# Allegro board RK_NVR_DEMO1_RK3588_LP4XD200P232SD8_V21_20211228_final_lint.brd (continued)
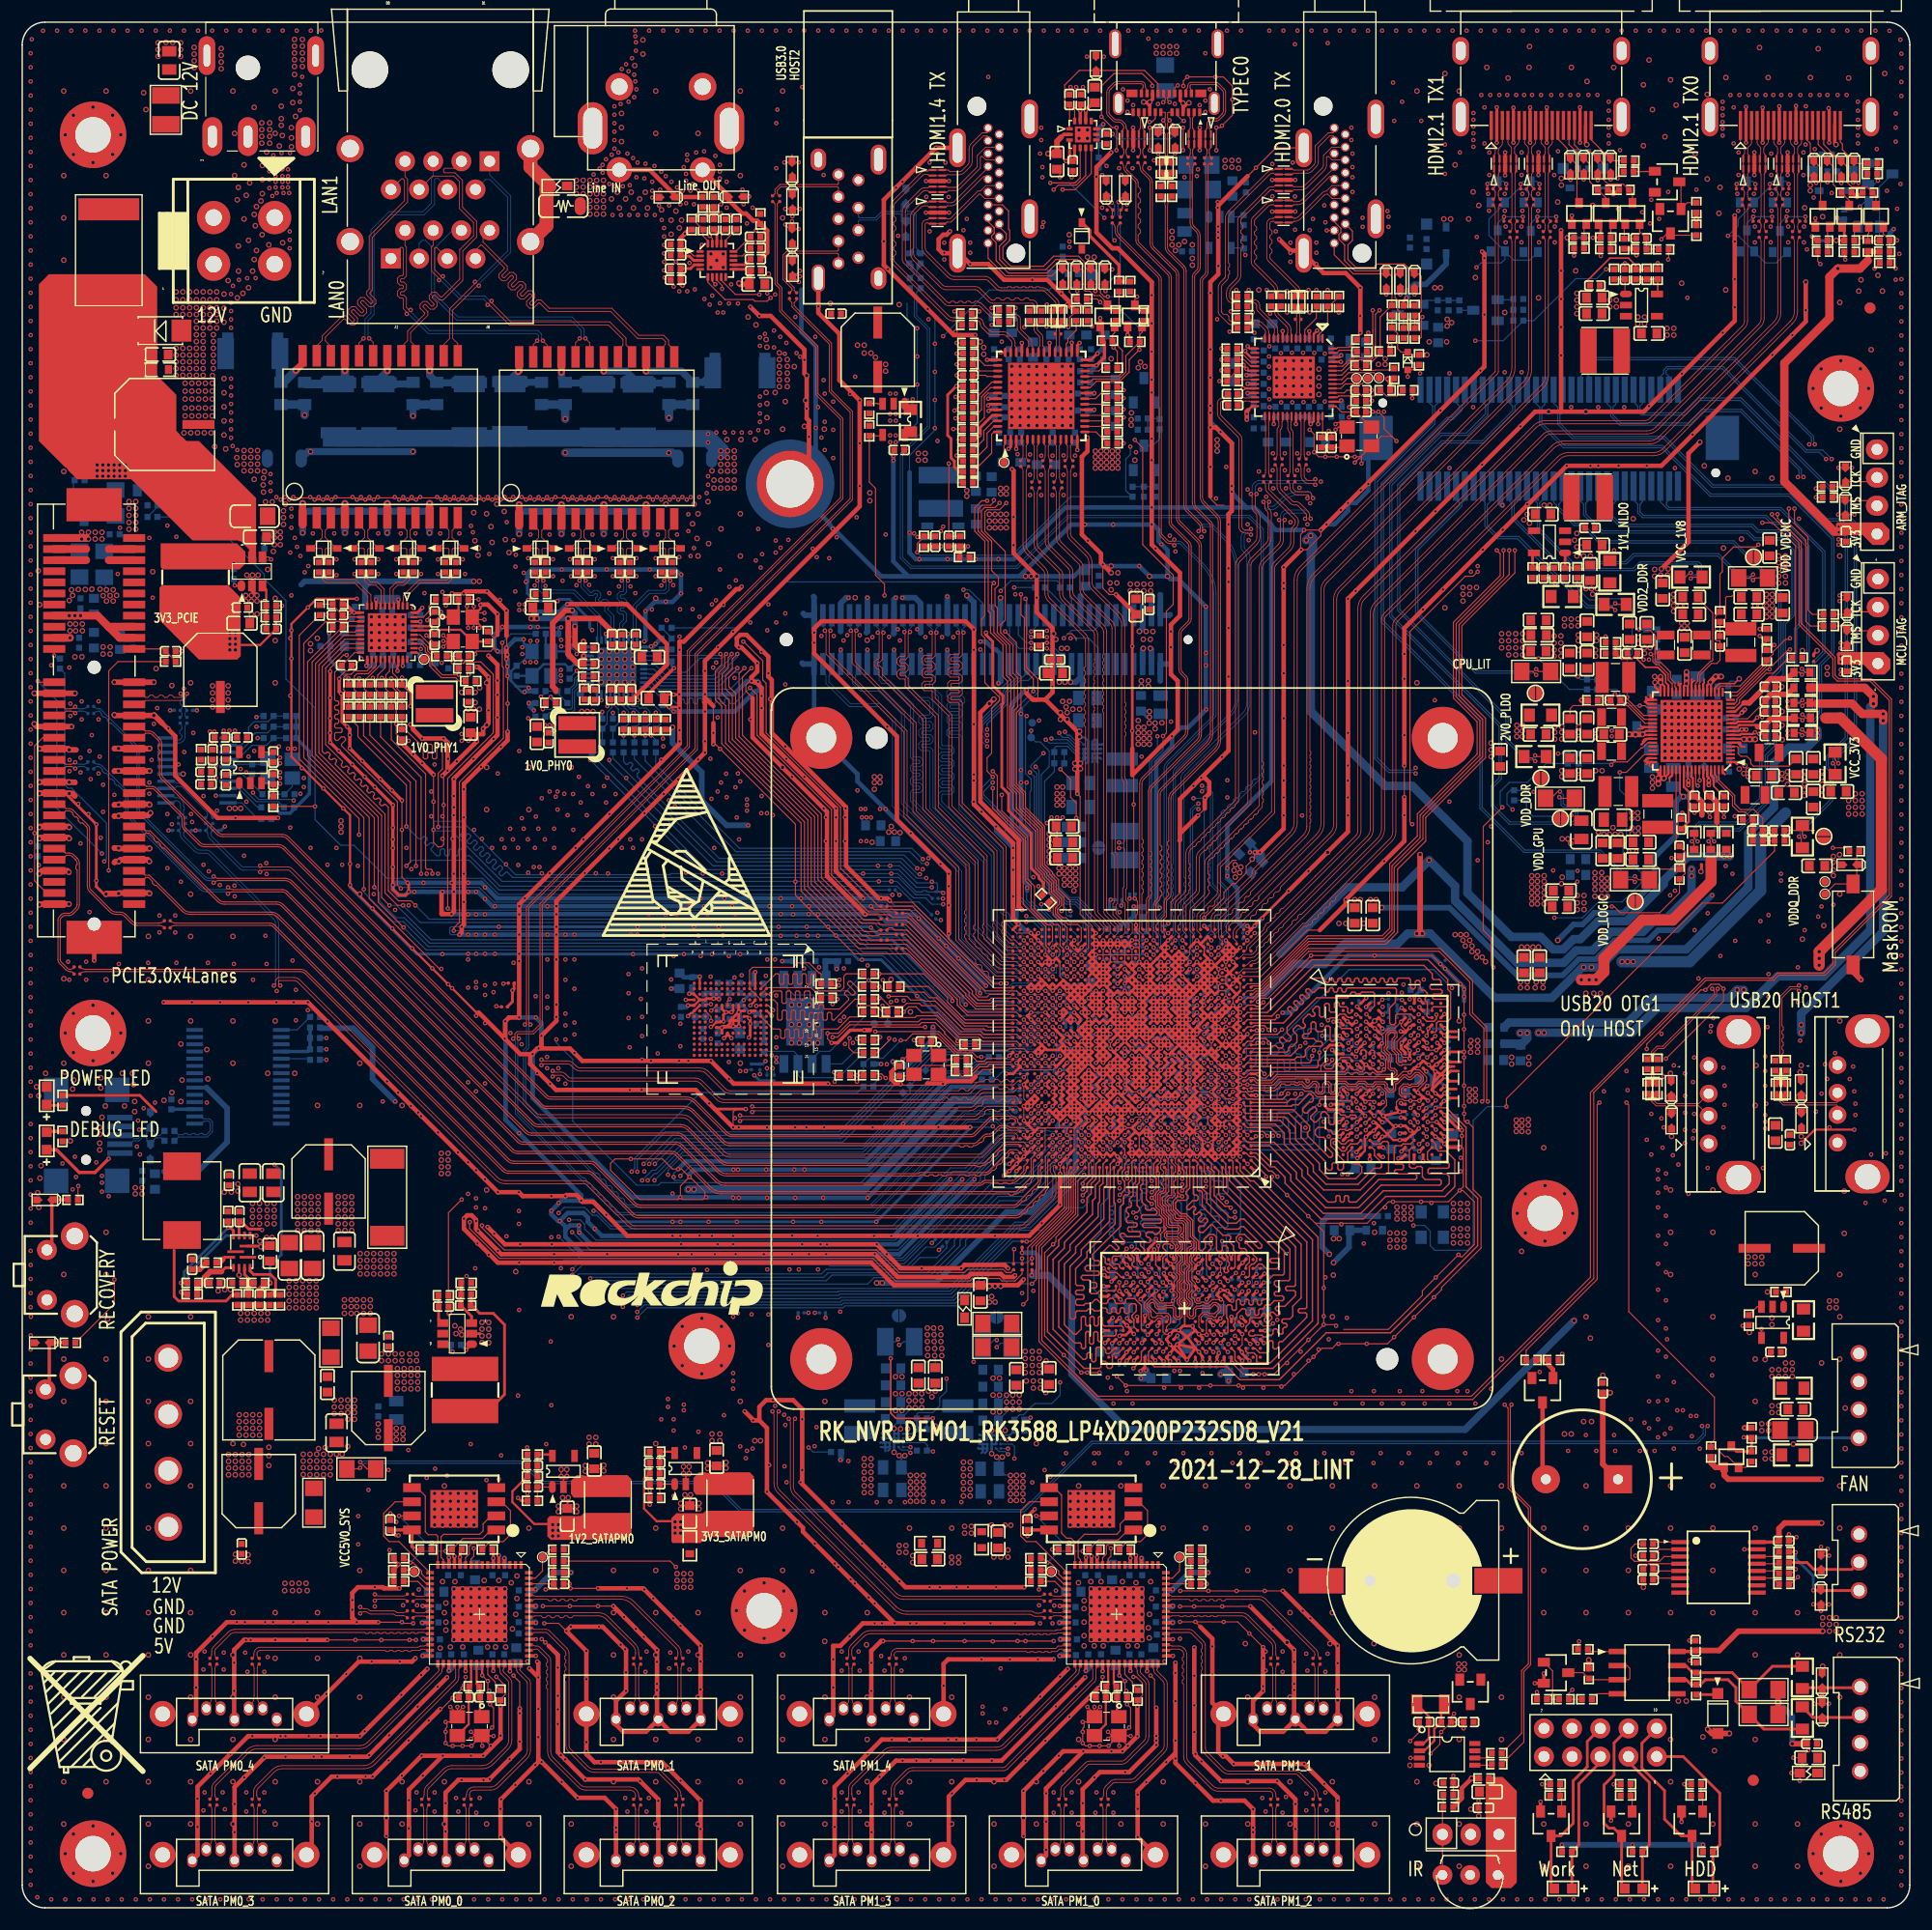
[diagram p0: board, top side]
## Copper pours and planes (outline as drawn; the poured copper is in the pictures) (continued)
GND on L6-S2 (solid shape): 88.47,40.95 88.47,40.92 88.49,40.78 88.56,40.65 88.59,40.61 88.31,40.33 87.48,40.33 86.49,41.32 86.47,41.43 86.56,41.5 87.92,41.5
GND on L6-S2 (solid shape): 89.87,42.99 89.9,42.88 89.8,42.82 88.48,42.82 88.18,42.51 83.88,42.51 83.78,42.57 83.81,42.69 84.35,43.23 89.63,43.23
GND on L6-S2 (solid shape): 80.03,43.44 80.03,43.1 79.83,42.9 79.83,42.65 79.66,42.48 79.64,42.23 79.63,42.15 79.55,42.11 79.25,42.11 78.67,42.69 78,42.69 78,43.53 79.95,43.53
GND on L6-S2 (solid shape): 93.7,64.73 93.81,64.75 93.88,64.66 93.88,64.12 93.86,64.06 93.85,64 93.85,61.92 93.52,61.58 93.41,61.56 93.34,61.66 93.34,64.37
GND on L6-S2 (solid shape): 79.24,71.57 88.47,71.57 88.52,71.58 88.79,71.58 89.96,70.41 91.8,70.41 91.89,70.34 91.87,70.23 91.7,70.07 91.7,70 91.65,70 91.57,70.01 91.5,70.01 91.48,70.01 91.2,70.29 88.61,70.29 88.37,70.05 88.33,70.02 87.98,69.66 71.13,69.66 67.52,73.28 67.49,73.39 67.59,73.45 77.36,73.45
GND on L6-S2 (solid shape): 70.96,69.26 88.14,69.26 88.62,69.73 88.65,69.77 88.78,69.9 91.03,69.9 91.2,69.73 91.2,69.71 91.2,69.6 91.24,69.49 91.26,69.46 91.04,69.24 91.01,69.25 90.75,69.23 90.63,68.99 90.61,68.92 90.53,68.89 88.52,68.89 88.47,68.89 70.88,68.89 66.91,72.87 66.88,72.98 66.98,73.04 67.17,73.04
GND on L6-S2 (solid shape): 91.13,42.1 92.55,42.1 92.64,42.04 92.62,41.93 90.99,40.3 89.85,40.3 89.77,40.34 89.75,40.43 89.64,40.76 89.3,40.84 89.22,40.85 89.17,40.93 89.15,41.02 89.1,41.11 89.08,41.14 89.1,41.17 89.13,41.56 88.79,41.75 88.76,41.74 88.7,41.8 88.75,41.85 88.78,41.85 89.05,41.99 89.11,42.28 89.13,42.37 89.21,42.41 90.82,42.41
GND on L6-S2 (solid shape): 72.7,75.48 72.77,75.44 72.8,75.37 73.05,74.99 73.47,75.17 73.48,75.2 74.86,75.2 74.94,75.17 74.96,75.09 74.97,74.98 75.01,74.89 75.03,74.82 74.99,74.75 74.87,74.56 74.89,74.33 74.89,74.32 74.89,74.26 74.78,74.26 74.37,74.68 73.49,74.68 72.85,74.47 73.49,74.27 74.2,74.27 74.44,74.03 74.46,73.92 74.37,73.86 69.85,73.86 69.75,73.92 69.78,74.03 71.22,75.48
GND on L2-GND1, L5-GND2, L7-GND3: 2.03,0.51 0.95,0.95 0.51,2.03 0.51,167.94 0.95,169.02 2.03,169.47 168.05,169.47 169.12,169.02 169.57,167.94 169.57,2.03 169.12,0.95 168.05,0.51
GND on L3-POWER1: 2.03,0.51 0.95,0.95 0.51,2.03 0.51,167.94 0.95,169.02 2.03,169.47 168.05,169.47 169.12,169.02 169.57,167.94 169.57,2.03 169.12,0.95 168.05,0.51 ; 11 cut-outs
VBUS5V0_TYPEC0 on BOTTOM: 105.23,163.72 105.53,163.42 105.53,162.3 105.43,162.2 101.06,162.2 100.66,162.6 100.66,162.91 101.06,163.31 101.47,163.31 102.18,164.03 102.18,164.33 102.28,164.43 103.6,164.43 103.71,164.33 103.71,163.92 103.91,163.72
VBUS5V0_TYPEC0 on BOTTOM: 106.6,153.97 107.92,153.97 108.33,154.37 108.33,155.08 108.43,155.19 110.46,155.19 110.56,155.29 110.56,157.57 110.21,157.93 106.4,157.93 106.3,157.83 106.3,156.3 106.6,156
VBUS5V0_TYPEC0 on L4-S1: 111.02,156.51 111.02,163.82 108.79,166.06 94.16,166.06 92.12,164.03 92.12,158.95 92.02,158.84 92.02,157.73 92.23,157.52 93.04,157.52 93.55,158.03 93.55,163.72 94.77,164.94 100.45,164.94 100.66,164.74 100.66,162.6 100.86,162.4 105.43,162.4 105.94,162.91 105.94,163.72 106.55,164.33 107.47,164.33 108.07,163.72 108.07,158.03 107.87,157.83 107.87,156.51 108.18,156.2 110.72,156.2
VCC3V3_IR on TOP (solid shape): 134.67,10.53 134.67,2.28 134.16,1.77 132.38,1.77 131.87,2.28 131.87,11.68 132,11.8 133.4,11.8
VCC3V3_PCIE30 on TOP (solid shape): 19.68,118.1 19.68,114.77 19.7,114.76 19.7,112.83 19.38,112.51 15.92,112.51 12.37,116.07 12.37,119.02 12.57,119.22 18.57,119.22
VCC3V3_PCIE30 on TOP: 4.24,114.14 3.99,114.39 3.99,116.83 4.37,117.21 7.54,117.21 8.81,115.94 8.81,114.29 8.68,114.17 8.28,114.17 7.9,114.55 6.88,114.55 6.47,114.14
VCC3V3_PCIE30 on BOTTOM: 4.44,117.47 3.99,117.01 3.99,114.29 4.11,114.17 11.86,114.17 12.09,113.94 14.4,113.94 15.52,112.82 19.48,112.82 19.68,113.02 19.68,115.87 18.08,117.47
VCC3V3_PHY0 on TOP: 52.09,109.26 50.26,109.26 49.86,109.67 48.99,109.67 48.59,110.08 47.88,110.08 47.78,109.97 47.78,108.45 47.98,108.25 51.89,108.25 52.4,108.75 52.4,108.96
VCC3V3_PHY0 on TOP: 56.44,112.51 56.69,112.26 57.58,112.26 57.71,112.39 57.71,113.78 54.28,117.21 48.18,117.21 48.17,117.23 47.99,117.23 47.83,117.39 47.83,118.71 47.8,118.74 46.91,118.74 46.91,116.58 47.42,116.07 47.42,110.23 47.93,109.72 48.31,109.72 48.56,109.97 48.18,110.36 48.18,115.82 49.07,116.71 52.88,116.71 54.02,115.56 54.79,115.56 55.04,115.31 55.04,114.55 56.06,114.55 56.44,114.17
VCC3V3_PHY1 on BOTTOM: 28.7,114.98 28.7,117.54 28.75,117.59 30.31,117.59 30.31,116.9 30.33,116.9 30.33,115.94 30.02,115.64 30.02,114.8 29.77,114.55 29.13,114.55
VCC3V3_PHY1 on BOTTOM: 34.39,112.36 36.22,112.36 36.62,112.77 37.54,112.77 38.05,112.26 38.45,112.26 38.66,112.06 38.66,111.35 34.59,111.35 34.08,111.85 34.08,112.06
VCC3V3_PHY1 on L3-POWER1: 30.22,116.4 29.61,116.4 29.59,116.43 29.33,116.43 28.95,116.81 28.95,118.71 29.33,119.09 30.38,119.09 30.83,119.55 34.39,119.55 34.41,119.52 36.45,119.52 37.64,118.33 37.64,113.15 38.35,112.44 38.35,111.83 37.95,111.42 34.29,111.42 33.81,111.9 33.81,112.01 34.34,112.54 34.8,112.54 36.42,114.17 36.42,116.2 36.45,116.22 36.45,116.27 35.84,116.88 35.84,117.9 35.3,118.43 30.94,118.43 30.33,117.82 30.33,116.5
VCC3V3_PI6C_05 on TOP: 17.96,104.89 17.75,104.69 15.82,104.69 15.72,104.59 15.72,104.18 15.82,104.08 18.77,104.08 19.28,103.57 19.89,103.57 19.99,103.67 19.99,104.59 19.68,104.89 19.68,106.21 19.48,106.42 18.16,106.42 17.96,106.21
VCC3V3_PI6C_05 on BOTTOM: 17.75,105.3 19.17,105.3 19.38,105.5 19.38,106.32 21.11,108.04 24.05,108.04 24.36,107.74 24.36,105.1 24.79,105.1 24.89,105 26.01,105 26.13,105.12 26.13,108.12 25.6,108.65 20.19,108.65 17.65,106.11 17.65,105.4
VCC3V3_SATAPM0 on TOP (solid shape): 61.75,35.8 65.71,35.8 65.94,35.58 65.94,34.05 65.3,33.42 61.67,33.42 61.14,32.89 60.54,32.89 60.54,32.89 59.77,32.89 59.77,32.89 58.62,32.89 58.49,33.01 58.49,35.12 58.95,35.58 59.2,35.58 59.21,35.57 59.33,35.56 59.46,35.57 59.46,35.58 60.85,35.58 60.86,35.57 60.98,35.56 61.11,35.57 61.11,35.58 61.36,35.58 61.62,35.83 61.75,35.83
VCC3V3_SATAPM0 on TOP: 86.84,34.69 86.94,34.59 86.94,33.67 86.84,33.57 86.23,33.57 85.93,33.27 84.81,33.27 84.4,33.67 84.4,34.49 84.61,34.69
VCC3V3_SATAPM0 on BOTTOM: 39.55,21.28 42.01,21.28 42.21,21.07 42.47,21.07 42.72,21.33 42.72,22.22 42.64,22.29 39.55,22.29 39.42,22.17 39.42,21.4
VCC3V3_SATAPM0 on BOTTOM: 42.85,31.62 42.72,31.74 39.29,31.74 39.16,31.62 39.16,30.73 39.29,30.6 42.72,30.6 42.85,30.73
VCC3V3_SATAPM0 on L6-S2: 59.41,35.3 69.87,35.3 70.48,34.69 86.33,34.69 86.43,34.59 86.43,33.47 86.13,33.16 53.62,33.16 51.38,35.4 48.13,35.4 47.42,34.69 47.42,21.68 45.49,19.75 36.35,19.75 34.62,21.48 34.62,29.41 33.6,30.42 33.6,33.67 33.91,33.98 40.82,33.98 41.73,34.89 41.73,37.43 42.64,38.35 55.04,38.35 57.58,35.81 58.9,35.81
VCC3V3_SATAPM1 on TOP: 86.03,32.89 89.08,32.89 89.33,32.63 89.33,31.36 89.08,31.11 86.15,31.11 85.77,31.49 85.77,32.63
VCC3V3_SATAPM1 on BOTTOM: 100.25,31.62 100.12,31.74 96.7,31.74 96.57,31.62 96.57,30.73 96.7,30.6 100.12,30.6 100.25,30.73
VCC3V3_SATAPM1 on BOTTOM: 96.95,21.28 99.41,21.28 99.62,21.07 99.87,21.07 100.12,21.33 100.12,22.22 100.05,22.29 96.95,22.29 96.82,22.17 96.82,21.4
VCC3V3_SATAPM1 on L4-S1: 93.32,25.21 94.03,24.5 94.03,23.61 93.27,22.85 93.27,22.6 93.9,21.96 96.31,21.96 97.08,21.2 97.97,21.2 98.22,21.46 99.24,21.46 99.62,21.07 100.25,21.07 101.65,22.47 103.81,22.47 103.93,22.6 103.93,23.11 103.17,23.87 103.17,24.78 103.88,25.49 103.88,25.9 103.07,26.71 103.07,27.73 103.99,28.64 103.99,29.66 102.87,30.78 100.94,30.78 99.92,31.79 96.77,31.79 96.57,31.59 96.57,31.28 96.37,31.08 95.15,31.08 94.84,31.39 94.84,33.09 93.83,34.1 87.17,34.1 87.04,33.98 87.04,31.28 87.25,31.08 88.75,31.08 91.69,28.14 93.52,28.14 93.93,27.73 93.93,26.51 93.32,25.9
VCC4V0_SYS on TOP: 147.7,110.15 147.32,110.15 147.27,110.2 147.19,110.2 147.17,110.18 146.78,110.18 146.58,110.38 146.58,111.29 146.96,111.68 147.01,111.68 147.06,111.73 147.19,111.73 147.19,111.7 147.9,110.99 147.9,110.36
VCC4V0_SYS on TOP: 144.7,106.34 145.08,105.96 146.23,105.96 146.23,105.71 146.1,105.58 144.57,105.58 144.32,105.33 143.18,105.33 143.05,105.45 143.05,106.21 143.18,106.34
VCC4V0_SYS on TOP: 149.65,110.91 149.65,112.06 149.15,112.56 149.15,113.58 149.27,113.71 150.29,113.71 150.42,113.58 150.42,112.18 150.29,112.06 150.29,110.91 150.16,110.79 149.78,110.79
VCC4V0_SYS on TOP: 154.43,103.14 154.33,103.04 153.82,103.04 153.82,102.84 154.18,102.84 155.75,101.26 156.33,101.26 156.64,101.57 156.64,102.56 156.54,102.66 155.88,102.66 155.5,103.04 155.5,103.42 155.37,103.55 154.61,103.55 154.43,103.37
VCC4V0_SYS on TOP: 146.68,141.17 148.71,141.17 149.12,141.57 149.12,143.5 148.51,144.11 146.78,144.11 146.58,143.91 146.58,141.27
VCC4V0_SYS on TOP: 60.53,40.51 61.29,40.51 61.54,40.76 63.07,40.76 63.32,41.01 63.32,43.05 63.07,43.3 62.05,43.3 60.4,41.65 60.4,40.63
VCC4V0_SYS on TOP: 18.06,101.54 18.87,101.54 19.28,101.95 19.68,101.95 19.89,101.74 19.89,99 19.68,98.8 18.57,98.8 17.96,99.41 17.96,101.44
VCC4V0_SYS on TOP: 29.74,59.3 28.5,59.3 28.12,58.92 28.12,56.43 28.22,56.43 28.52,56.13 34.82,56.13 35.02,56.33 35.02,58.87 34.97,58.92 34.97,60.85 34.31,61.51 31.47,61.51 30.35,60.39 30.35,59.91
VCC4V0_SYS on TOP: 49.38,40.12 50.14,40.12 50.39,40.38 51.92,40.38 52.17,40.63 52.17,42.66 51.92,42.92 50.9,42.92 49.25,41.27 49.25,40.25
VCC4V0_SYS on TOP: 148.13,101.62 148.13,102.02 148.03,102.13 147.42,102.13 147.42,102.43 147.32,102.53 147.11,102.53 146.43,101.85 146.43,100.75 146.48,100.75 146.61,100.63 147.14,100.63
VCC4V0_SYS on TOP: 136.83,126.13 136.83,123.99 136.52,123.69 135.3,123.69 134.85,124.15 134.85,125.26 135.81,126.23 136.73,126.23
VCC4V0_SYS on BOTTOM: 83.79,125.01 84.91,125.01 85.32,125.42 86.43,125.42 86.43,125.82 86.54,125.93 89.08,125.93 89.28,125.72 89.28,123.89 88.97,123.59 86.43,123.59 86.33,123.69 84,123.69 83.69,123.99 83.69,124.91
VCC4V0_SYS on BOTTOM: 149.48,101.69 149.48,100.55 149.41,100.49 146.24,100.49 145.84,100.88 145.84,103.04 146.23,103.42 147.62,103.42 147.88,103.17 147.88,102.15 148,102.02 149.15,102.02
VCC4V0_SYS on BOTTOM: 148.33,109.95 148.21,109.82 148.21,109.57 147.83,109.19 146.35,109.19 146.35,111.47 146.61,111.73 152.91,111.73 153.46,111.17 153.46,110.66 153.21,110.41 153.21,109.9 153.08,109.77 152.45,109.77 152.27,109.95
VCC4V0_SYS on BOTTOM: 154.18,102.76 154.18,102.96 154.3,103.09 154.3,105.38 154.68,105.76 156.21,105.76 156.46,105.5 156.46,101.57 155.83,100.93 151.97,100.93 151.76,101.13 151.76,101.85 152.58,102.66 154.07,102.66
VCC4V0_SYS on BOTTOM: 96.29,106.32 96.39,106.21 96.39,105.2 97,105.2 97.1,105.1 97.1,104.49 97.2,104.39 99.95,104.39 100.05,104.49 101.47,104.49 101.78,104.79 101.78,106.11 100.76,107.13 100.76,107.64 100.45,107.94 99.95,107.94 99.34,108.55 99.34,109.16 99.03,109.47 96.39,109.47 96.29,109.36
VCC4V0_SYS on BOTTOM: 78.26,41.37 78.26,40.66 78.24,40.64 78.24,37.06 78.13,36.95 75.46,36.95 75.11,37.3 75.11,41.75 75.36,42 77.19,42 77.19,42.08 77.54,42.08 77.54,41.37
VCC4V0_SYS on BOTTOM: 146.43,107.1 146.43,105.63 146.3,105.5 144.65,105.5 144.52,105.63 144.52,106.98 144.78,107.23 146.3,107.23
VCC4V0_SYS on BOTTOM: 87.04,41.24 87.04,40.53 87.03,40.52 87.03,36.94 86.92,36.82 84.25,36.82 83.89,37.18 83.89,41.29 84.55,41.95 86.33,41.95 86.33,41.24
VCC4V0_SYS on L3-POWER1: 21.41,60.09 21.92,59.58 23.44,59.58 49.25,33.77 84,33.77 85.93,35.7 85.93,45.05 85.01,45.97 57.27,45.97 37.01,66.24 37.06,66.29 37.06,69.13 41.53,73.6 41.73,73.6 43.56,75.43 43.56,84.37 45.08,85.89 48.84,85.89 64.59,101.64 64.59,103.67 64.69,103.67 71.4,110.38 81.35,110.38 89.08,118.1 91.31,118.1 93.24,120.03 132.97,120.03 137.23,115.77 137.23,106.62 144.45,99.41 155.22,99.41 156.94,101.13 156.94,110.38 155.42,111.9 155.42,142.28 153.08,144.62 147.5,144.62 146.38,143.5 146.38,142.69 132.26,128.57 119.11,128.57 117.29,126.75 85.44,126.75 85.39,126.79 75.92,126.79 47.52,98.39 28.42,98.39 21.41,91.38
VCC4V0_SYS on L4-S1: 86.23,126.13 89.58,126.13 102.08,113.63 102.08,104.18 101.47,103.57 97.81,103.57 95.98,105.4 95.98,110.48 95.37,111.09 89.79,111.09 86.13,114.75 86.13,126.03
VCC4V0_SYS on L6-S2: 18.57,99.51 28.52,99.51 29.13,98.9 29.13,96.87 28.93,96.66 19.17,96.66 18.77,97.07 18.77,98.49 18.31,98.95 18.31,99.26
VCC4V0_SYS_P on TOP: 11.15,66.03 17.96,66.03 18.08,65.91 19.35,65.91 19.61,65.65 32.21,65.65 32.28,65.57 34.52,65.57 35.23,66.29 35.23,69.63 32.79,72.06 11.42,72.06 11.05,71.7 11.05,66.13
VCC5V0_SYS on TOP: 102.39,117.59 103.2,118.41 103.2,119.73 103.1,119.83 99.85,119.83 99.54,119.52 99.54,117.9 99.85,117.59
VCC5V0_SYS on TOP: 94.97,162.81 95.68,162.81 95.98,163.11 96.8,163.11 96.8,162.2 96.29,161.69 95.17,161.69 95.07,161.79 95.07,162.2 94.97,162.3
VCC5V0_SYS on TOP: 24.41,40.48 24.41,37.69 25.07,37.03 29.13,37.03 29.84,37.74 29.84,41.6 29.03,42.41 27.4,42.41 26.69,41.7 24.97,41.7 24.38,41.11 24.38,40.51
VCC5V0_SYS on TOP: 160.3,47.69 159.28,47.69 159.08,47.49 159.08,46.37 158.87,46.17 157.45,46.17 157.15,46.47 157.15,48.81 157.66,49.32 157.96,49.32 158.16,49.52 158.16,51.96 158.67,52.47 160.91,52.47 161.11,52.27 161.11,48.51
VCC5V0_SYS on TOP: 95.27,150 96.39,150 96.9,149.5 96.9,148.58 96.8,148.48 95.78,148.48 95.17,149.09 95.17,149.9
VCC5V0_SYS on TOP: 79.22,133.34 79.22,130.6 79.63,130.19 81.56,130.19 81.66,130.29 81.66,131.51 81.56,131.61 81.56,133.04 80.95,133.65 79.53,133.65
VCC5V0_SYS on BOTTOM: 162.92,156.15 162.92,156.91 162.67,157.17 160.14,157.17 159.99,157.01 159.99,155.19 161.41,153.76 161.41,152.14 161.52,152.04 162.24,152.04 162.41,152.21 162.41,154.9 162.23,155.08 161.52,155.08 161.31,155.29 161.31,155.69 161.54,155.92 161.8,155.92 161.91,156.02 162.79,156.02
VCC5V0_SYS on BOTTOM: 140.47,156.41 140.47,157.17 140.21,157.42 138.56,157.42 138.31,157.17 138.31,155.39 138.34,155.36 138.34,155.12 139.07,154.39 139.07,152.72 139.45,152.34 139.83,152.34 139.96,152.47 139.96,155.26 139.83,155.39 139.2,155.39 139.2,156.02 139.45,156.28 140.34,156.28
VCC5V0_SYS on BOTTOM: 107.16,150.31 107.36,150.11 107.36,147.87 107.06,147.57 105.53,147.57 105.03,148.07 105.03,150 105.33,150.31
VCC5V0_SYS on BOTTOM: 104.06,116.2 103.93,116.07 103.3,116.07 103.17,116.2 103.17,117.98 100.48,117.98 100.45,118 99.64,118 99.34,118.31 99.34,119.63 99.44,119.73 103.71,119.73 104.06,119.37
VCC5V0_SYS on BOTTOM: 126.16,150.11 127.38,150.11 128.9,151.63 128.9,152.54 128.6,152.85 126.36,152.85 125.85,152.34 125.85,150.41
VCC5V0_SYS on BOTTOM: 97.1,146.96 97.1,148.79 96.7,149.19 95.68,149.19 94.77,148.28 94.77,146.85 94.97,146.65 96.8,146.65
VCC5V0_SYS on L3-POWER1: 71.5,136.29 71.5,141.88 77.19,147.57 93.55,147.57 95.27,149.29 104.32,149.29 105.33,150.31 106.25,150.31 107.26,149.29 125.45,149.29 126.46,150.31 126.46,152.24 127.07,152.85 129.82,152.85 130.22,152.44 130.22,150.11 131.04,149.29 139.34,149.29 139.78,149.73 139.78,153.36 138.25,154.89 138.25,156 138.55,156.3 150.54,156.3 151.56,155.29 151.56,151.02 153.59,148.99 160.6,148.99 161.41,149.8 161.41,153.15 160.91,153.66 160.91,154.47 160.81,154.58 160.81,155.59 161.01,155.8 162.13,155.8 162.94,154.98 162.94,147.46 160.5,145.03 144.55,145.03 142.36,142.84 128.75,142.84 125.45,146.14 108.48,146.14 106.65,144.31 106.65,139.23 99.85,132.43 99.85,129.99 99.24,129.38 96.39,129.38 96.09,129.68 96.09,132.63 95.98,132.73 95.98,134.26 97.41,135.68 97.41,144.21 96.8,144.82 83.89,144.82 82.73,143.65 82.73,129.53 81.96,128.77 77.59,128.77 48.03,99.2 28.22,99.2 20.6,91.58 20.6,60.6 21.92,59.28 23.14,59.28 45.39,37.03 45.39,36.82 49.05,33.16 83.39,33.16 96.04,45.81 132.92,45.81 135.2,48.1 135.2,48.2 135.81,48.81 152.68,48.81 153.9,50.03 160.09,50.03 161.11,49.01 161.11,46.47 161.06,46.42 161.06,42.87 160.09,41.9 156.74,41.9 155.83,40.99 155.52,40.99 151.51,36.97 108.84,36.97 107.47,38.35 94.66,38.35 93.85,37.53 93.85,33.67 87.35,27.17 48.03,27.17 36.85,38.35 19.68,38.35 10.95,47.08 10.95,85.59 12.47,87.11 14.09,87.11 14.6,87.62 14.6,102.15 18.87,106.42 41.63,106.42 53.46,118.25 58.14,118.25 60.32,120.44 60.32,125.01 60.27,125.06
VCC5V0_SYS on L4-S1: 94.66,162.5 96.29,162.5 97.2,161.59 97.2,147.26 96.8,146.85 95.27,146.85 94.66,147.46 94.66,155.9 93.85,156.71 93.85,161.69
VCC5V0_SYS on L4-S1: 96.59,131.72 99.44,131.72 103.5,127.65 103.5,118.51 103.2,118.2 98.83,118.2 96.19,120.85 96.19,131.31
VCC5V0_SYS_P on TOP: 42.85,43.63 42.64,43.63 41.02,42 36.35,42 32.89,38.55 31.57,38.55 31.16,38.96 31.16,43.63 32.08,44.54 33.7,44.54 35.13,45.97 42.95,45.97 42.85,45.86
VCC5V0_SYS_P on BOTTOM: 34.62,44.44 34.62,42.61 34.57,42.56 34.57,42.05 34.31,41.8 32.08,41.8 31.67,42.21 31.67,44.54 31.77,44.65 34.41,44.65
VCC5V0_USB20_HOST on TOP: 151.05,69.74 158.27,69.74 158.98,69.03 159.38,69.03 159.69,68.72 159.69,68.52 159.89,68.32 161.11,68.32 161.72,68.93 161.72,69.13 162.53,69.94 164.26,69.94 164.97,69.23 164.97,67.81 163.65,66.49 163.65,58.77 162.23,57.35 162.23,54.09 161.62,53.48 158.77,53.48 158.47,53.79 158.47,54.91 158.67,55.11 158.67,56.33 158.98,56.63 158.98,65.27 156.64,67.61 151.25,67.61 150.85,68.01 150.85,69.54
VCC5V0_USB30_HOST2 on TOP: 76.07,146.04 76.07,148.99 75.46,149.6 75.05,149.6 74.7,149.24 74.7,148.12 73.53,146.96 73.53,142.38 74.65,141.27 75.97,141.27 78.1,139.13 78.1,137.61 78.92,136.8 78.92,134.87 79.22,134.56 80.54,134.56 80.74,134.76 80.74,141.37
VCC5V_FT232_DEBUG on BOTTOM: 7.67,68.19 9.95,68.19 11.22,66.92 13,66.92 13.38,66.54 13.38,66.16 13,65.78 11.99,65.78 11.73,66.03 10.72,66.03 9.45,67.3 7.8,67.3 7.67,67.43
VCC5V_HDMI_TX0 on BOTTOM: 162.79,157.52 162.79,158.44 163.14,158.79 163.14,159.1 163.24,159.2 163.56,159.2 165.48,157.28 165.48,156.1 165.28,155.9 163.45,155.9 163.24,156.1 163.24,157.07
VCC5V_HDMI_TX1 on BOTTOM: 140.85,156.41 140.85,158.69 140.72,158.82 140.72,159.07 141.1,159.45 141.61,159.45 143.26,157.8 143.26,156.41 143.01,156.15 141.1,156.15
VCC5V_HDMI_TX2 on BOTTOM: 119.86,151.33 119.25,151.33 118.84,150.92 118.84,148.48 119.86,147.46 126.87,147.46 127.18,147.77 127.18,149.5 126.97,149.7 126.06,149.7 125.8,149.95 121.94,149.95 121.28,150.61 120.57,150.61
VCC5V_HDMI_TX3 on BOTTOM: 88.77,146.25 94.26,146.25 94.46,146.45 94.46,148.79 94.16,149.09 92.63,149.09 91.31,150.41 90.09,150.41 89.38,151.12 87.65,151.12 87.35,150.82 87.35,147.67
VCC12V_DCIN on TOP (solid shape): 12.16,146.14 12.16,138.12 13.89,136.39 13.89,133.14 14.19,132.84 14.2,132.83 14.29,132.68 14.44,132.58 14.45,132.58 14.81,132.22 15.92,132.22 21.08,127.07 21.08,121.33 20.9,121.15 20.44,121.15 20.44,122.43 19.7,123.18 19.53,123.18 19.46,123.26 15.34,123.26 9.83,128.77 4.95,128.77 4.13,129.59 4.13,129.6 4.03,129.76 3.87,129.86 3.86,129.86 1.5,132.22 1.5,146.35 2.41,147.26 11.05,147.26
VCC12V_DCIN on TOP: 159.08,41.5 159.08,40.07 158.98,39.97 156.74,39.97 156.64,40.07 156.64,41.39 156.84,41.6 158.98,41.6
VCC12V_DCIN on TOP: 22.63,54.5 22.63,56.43 22.22,56.84 22.12,56.84 22.11,56.83 21.4,56.83 20.78,57.45 20.78,58.34 20.7,58.41 19.73,58.41 19.58,58.56 19.58,58.77 19.68,58.87 20.37,58.87 20.6,59.1 26.72,59.1 27.1,58.72 27.1,56.84 28.37,55.57 33.75,55.57 37.16,52.16 38.48,52.16 38.58,52.06 38.58,51.35 38.48,51.25 32.08,51.25 31.67,51.66 25.4,51.66 23.95,53.1 23.95,53.18
VCC12V_DCIN on BOTTOM: 102.41,113.15 102.28,113.02 102.28,111.12 102.03,110.86 100.66,110.86 100.58,110.79 100.56,110.79 100.25,110.48 100.25,108.93 100.35,108.83 103.3,108.83 103.55,109.09 103.55,112.9 103.3,113.15
VCC12V_DCIN on BOTTOM: 6.68,130.4 9.42,130.4 9.62,130.19 9.62,127.04 9.01,126.43 6.07,126.43 5.36,127.14 5.36,129.99 6.27,129.99
VCC12V_DCIN on L3-POWER1: 161.11,30.01 156.13,25.04 145.16,25.04 131.29,11.17 36.29,11.17 22.02,25.44 22.02,29.3 22.93,30.22 25.68,30.22 40.51,15.38 124.84,15.38 138.35,28.9 152.68,28.9 156.33,32.55 156.33,40.99 156.94,41.6 159.89,41.6 161.11,40.38
VCC12V_DCIN on L4-S1: 23.65,91.38 31.87,83.15 31.87,58.36 31.62,58.11 31.62,33.32 25.47,27.17 23.34,27.17 22.02,28.49 22.02,50.33 19.07,53.28 14.91,53.28 8.3,59.89 8.3,73.91 8.1,74.11 8.1,110.69 4.65,114.14 4.65,129.58 5.41,130.34 18.21,130.34 23.65,124.91
VCC12V_DCIN on L6-S2: 6.68,130.5 12.57,130.5 21.41,121.66 45.18,121.66 47.01,123.49 59.81,123.49 60.42,124.1 102.08,124.1 104.42,121.76 104.42,111.19 102.89,109.67 99.64,109.67 97.91,111.4 97.91,115.36 97.86,115.41 97.86,116.83 93.34,121.35 62.66,121.35 60.42,119.12 40.61,119.12 40.41,118.91 17.35,118.91 14.4,121.86 14.4,124.2 11.15,127.45 6.78,127.45 6.47,127.75 6.47,130.29
VCC12V_PCIE30 on TOP: 4.37,123.82 4.37,121.15 4.49,121.02 8.43,121.02 8.56,121.15 8.56,124.07 8.3,124.33 4.87,124.33
VCC12V_PCIE30 on BOTTOM: 8.1,121.45 4.34,121.45 3.93,121.86 3.93,124.71 4.85,125.62 6.17,125.62 7.39,124.4 8,124.4 8.2,124.2 8.2,121.56
VCC12VDC on TOP: 18.16,161.49 10.95,161.49 10.44,160.98 10.44,158.44 7.54,155.54 5.31,155.54 4.85,155.08 4.85,147.87 5.15,147.57 13.79,147.57 15.01,146.35 17.6,146.35 18.82,147.57 18.82,160.82
VCC_1V1_NLDO on TOP: 139.27,117.49 141.2,117.49 142.01,118.31 143.74,118.31 143.94,118.51 143.94,119.73 143.63,120.03 140.79,120.03 140.59,119.83 140.59,119.42 140.28,119.12 139.27,119.12 139.16,119.02 139.16,117.59
VCC_1V1_NLDO on BOTTOM: 153.92,107.54 153.92,106.01 154.05,105.88 156.21,105.88 157.15,106.82 157.15,111.7 153.59,115.26 153.59,117.39 151.36,119.63 147.8,119.63 147.39,120.03 141.2,120.03 140.59,119.42 140.59,118.81 141.5,117.9 144.55,117.9 146.78,115.66 147.29,115.66 147.9,115.05 147.9,113.33 149.22,112.01 152.98,112.01 153.59,111.4 154.91,111.4 155.52,110.79 155.52,110.08 154.4,108.96 154.4,108.02
VCC_1V1_NLDO_P on TOP: 141.91,129.18 141.91,125.11 141.5,124.71 141.5,123.79 142.01,123.28 142.01,121.56 142.52,121.05 143.74,121.05 143.84,121.15 143.84,129.28 143.63,129.48 142.21,129.48
VCC_1V8 on TOP: 149.73,121 147.32,121 147.27,121.05 146.89,121.05 146.68,120.85 146.68,119.47 147.19,118.97 149.73,118.97 149.98,119.22 149.98,120.74
VCC_1V8 on BOTTOM: 58.29,83.05 58.49,83.25 61.44,83.25 61.85,82.85 62.76,82.85 62.96,82.64 62.96,81.83 62.86,81.73 62.25,81.73 61.95,82.03 60.32,82.03 60.22,81.93 60.22,81.12 60.02,80.92 58.7,80.92 58.29,81.32
VCC_1V8 on BOTTOM: 96.95,117.98 96.37,117.98 96.09,117.7 95.07,117.7 94.92,117.85 94.92,119.07 95.37,119.52 97.31,119.52 97.61,119.83 98.83,119.83 99.03,119.63 99.03,118.2 98.73,117.9 97.03,117.9
VCC_1V8 on L3-POWER1: 45.08,81.22 43.86,82.44 43.86,83.96 45.18,85.29 56.77,85.29 58.09,86.61 64.39,86.61 65,87.22 65,103.37 71.7,110.08 81.86,110.08 89.48,117.7 91.82,117.7 93.14,119.02 93.24,119.02 93.85,119.63 129,119.63 129.11,119.52 131.24,119.52 131.44,119.32 131.44,116.98 131.34,116.88 121.08,116.88 120.47,116.27 98.63,116.27 96.7,114.34 93.44,114.34 81.86,102.76 72.92,102.76 71.19,101.03 71.19,91.28 76.48,86 76.48,84.88 76.38,84.78 75.05,84.78 71.5,81.22
VCC_1V8 on L6-S2: 94.66,78.99 95.17,78.99 95.37,78.78 95.37,77.06 94.26,75.94 94.05,75.94 93.95,76.04 93.95,76.24 94.05,76.34 94.05,78.38
VCC_1V8 on L6-S2: 106.45,80.51 106.45,81.22 107.87,82.64 108.28,82.64 108.79,83.15 109.4,83.15 109.5,83.05 109.5,82.95 108.89,82.34 108.48,82.34 108.18,82.03 108.18,81.93 106.65,80.41 106.55,80.41
VCC_1V8 on L6-S2: 95.78,67 95.98,67 96.59,67.61 96.59,68.32 97.51,69.23 97.51,69.44 98.42,70.35 98.42,70.96 98.22,71.16 97.91,71.16 97.71,70.96 97.71,70.86 97.1,70.25 96.8,70.25 95.58,69.03 95.58,67.2
VCC_1V8 on L6-S2: 162.23,124.5 163.24,123.49 163.24,121.86 166.39,118.71 166.39,106.42 168.53,104.28 168.53,90.47 168.43,90.37 168.43,70.65 158.98,61.21 158.87,61.21 156.94,59.28 155.42,59.28 147.09,50.94 140.28,50.94 139.47,51.76 139.47,53.28 149.93,63.75 154.61,63.75 162.02,71.16 162.02,79.7 162.84,80.51 162.84,92.09 164.16,93.41 164.16,96.56 165.99,98.39 165.99,102.56 162.43,106.11 162.43,110.89 161.11,112.21 154.2,112.21 150.65,115.77 150.65,116.88 148.61,118.91 147.5,118.91 145.16,116.58 129.51,116.58 128.8,117.29 128.8,119.12 129.31,119.63 138.76,119.63 139.98,120.85 142.52,120.85 146.17,124.5
VCC_1V8_P on TOP: 150.49,120.49 150.37,120.36 150.37,114.9 150.49,114.77 150.54,114.77 150.54,114.47 150.67,114.34 152.19,114.34 152.19,116.98 152.68,117.47 152.68,120.34 152.52,120.49
VCC_2V0_PLDO on TOP: 136.4,108.22 134.39,108.22 134.36,108.25 133.98,108.25 132.97,109.26 132.97,112.72 132.61,113.07 132.61,113.89 132.56,113.94 132.56,115.66 134.08,117.19 137.95,117.19 138.25,117.49 138.25,118.81 137.84,119.22 133.78,119.22 130.12,115.56 130.12,109.47 132.05,107.54 132.05,105.91 132.76,105.2 136.45,105.2 136.54,105.29 136.54,108.08
VCC_2V0_PLDO on BOTTOM: 150.49,102.46 149.73,102.46 149.73,101.19 149.91,101.01 150.37,101.01 150.49,101.13
VCC_2V0_PLDO on L6-S2: 137.13,103.27 138.45,103.27 140.89,100.83 146.28,100.83 146.99,100.12 149.43,100.12 150.44,101.13 150.44,102.76 149.83,103.37 148.41,103.37 146.68,105.1 137.95,105.1 137.74,105.3 137.74,105.91 136.73,106.93 134.59,106.93 134.39,106.72 134.39,105.5 135.71,104.18 136.22,104.18
VCC_2V0_PLDO_P on TOP: 137.34,106.65 141.35,106.65 141.53,106.47 142.67,106.47 142.67,108.12 139.67,108.12 139.44,108.35 137.54,108.35 137.34,108.15
VCC_3V3 on TOP (solid shape): 168.25,124.25 168.25,123.36 167.74,122.85 166.72,122.85 165.83,123.74 163.55,123.74 163.42,123.87 163.42,124.76 163.55,124.88 167.61,124.88
VCC_3V3 on TOP (solid shape): 168.32,112.56 168.32,111.68 167.82,111.17 166.8,111.17 165.91,112.06 163.62,112.06 163.55,112.13 163.55,112.82 163.5,112.87 163.5,113.07 163.62,113.2 167.69,113.2
VCC_3V3 on TOP: 94.46,110.99 94.77,110.69 94.77,110.18 94.66,110.08 93.34,110.08 93.14,110.28 93.14,112.72 93.44,113.02 93.85,113.02 94.46,112.41
VCC_3V3 on TOP: 163.65,98.16 165.86,98.16 165.89,98.19 166.39,98.19 166.8,98.59 166.8,102.35 166.39,102.76 162.74,102.76 162.63,102.66 162.63,101.64 163.04,101.24 163.42,101.24 163.57,101.08 163.57,99.81 163.56,99.8 163.56,98.4 163.55,98.39 163.55,98.26
VCC_3V3 on TOP: 43.74,117.85 42.47,119.12 40.56,119.12 40.31,119.37 40.31,120.01 40.56,120.26 42.85,120.26 44.31,118.8 46.34,118.8 46.35,118.81 46.51,118.81 46.51,118 46.35,117.85
VCC_3V3 on TOP: 59.71,32.25 60.93,32.25 61.24,31.95 61.24,29 60.63,28.39 58.8,28.39 58.6,28.59 58.6,30.32 58.8,30.52 59.1,30.52 59.51,30.93 59.51,32.05
VCC_3V3 on TOP: 128.93,19.8 129.13,19.6 130.25,19.6 130.45,19.8 130.45,22.14 130.15,22.45 129.13,22.45 128.93,22.24
VCC_3V3 on BOTTOM: 62.35,78.58 63.98,78.58 64.18,78.38 65,78.38 65.1,78.48 65.1,80.71 64.79,81.02 64.39,81.02 64.29,80.92 64.29,79.9 63.88,79.49 62.66,79.49 62.35,79.19
VCC_3V3 on BOTTOM: 127.07,144.31 128.8,144.31 129,144.11 129,143.5 129.11,143.4 129.11,142.49 128.5,141.88 125.65,141.88 125.45,142.08 125.45,142.89 125.65,143.1 126.46,143.1 126.87,143.5 126.87,144.11